# Altium PCB mppt.PcbDoc (part 2 of 2)
Units mil, origin at the board's own origin, x right, y up, seen from the top; angles counter-clockwise.
Board outline 7000 x 4895 mil, 4 copper layers (Top Layer, Layer 1, Layer 2, Bottom Layer), stack 23.756 mil thick; 204 components, 84 nets, 538 pads, 132 vias.
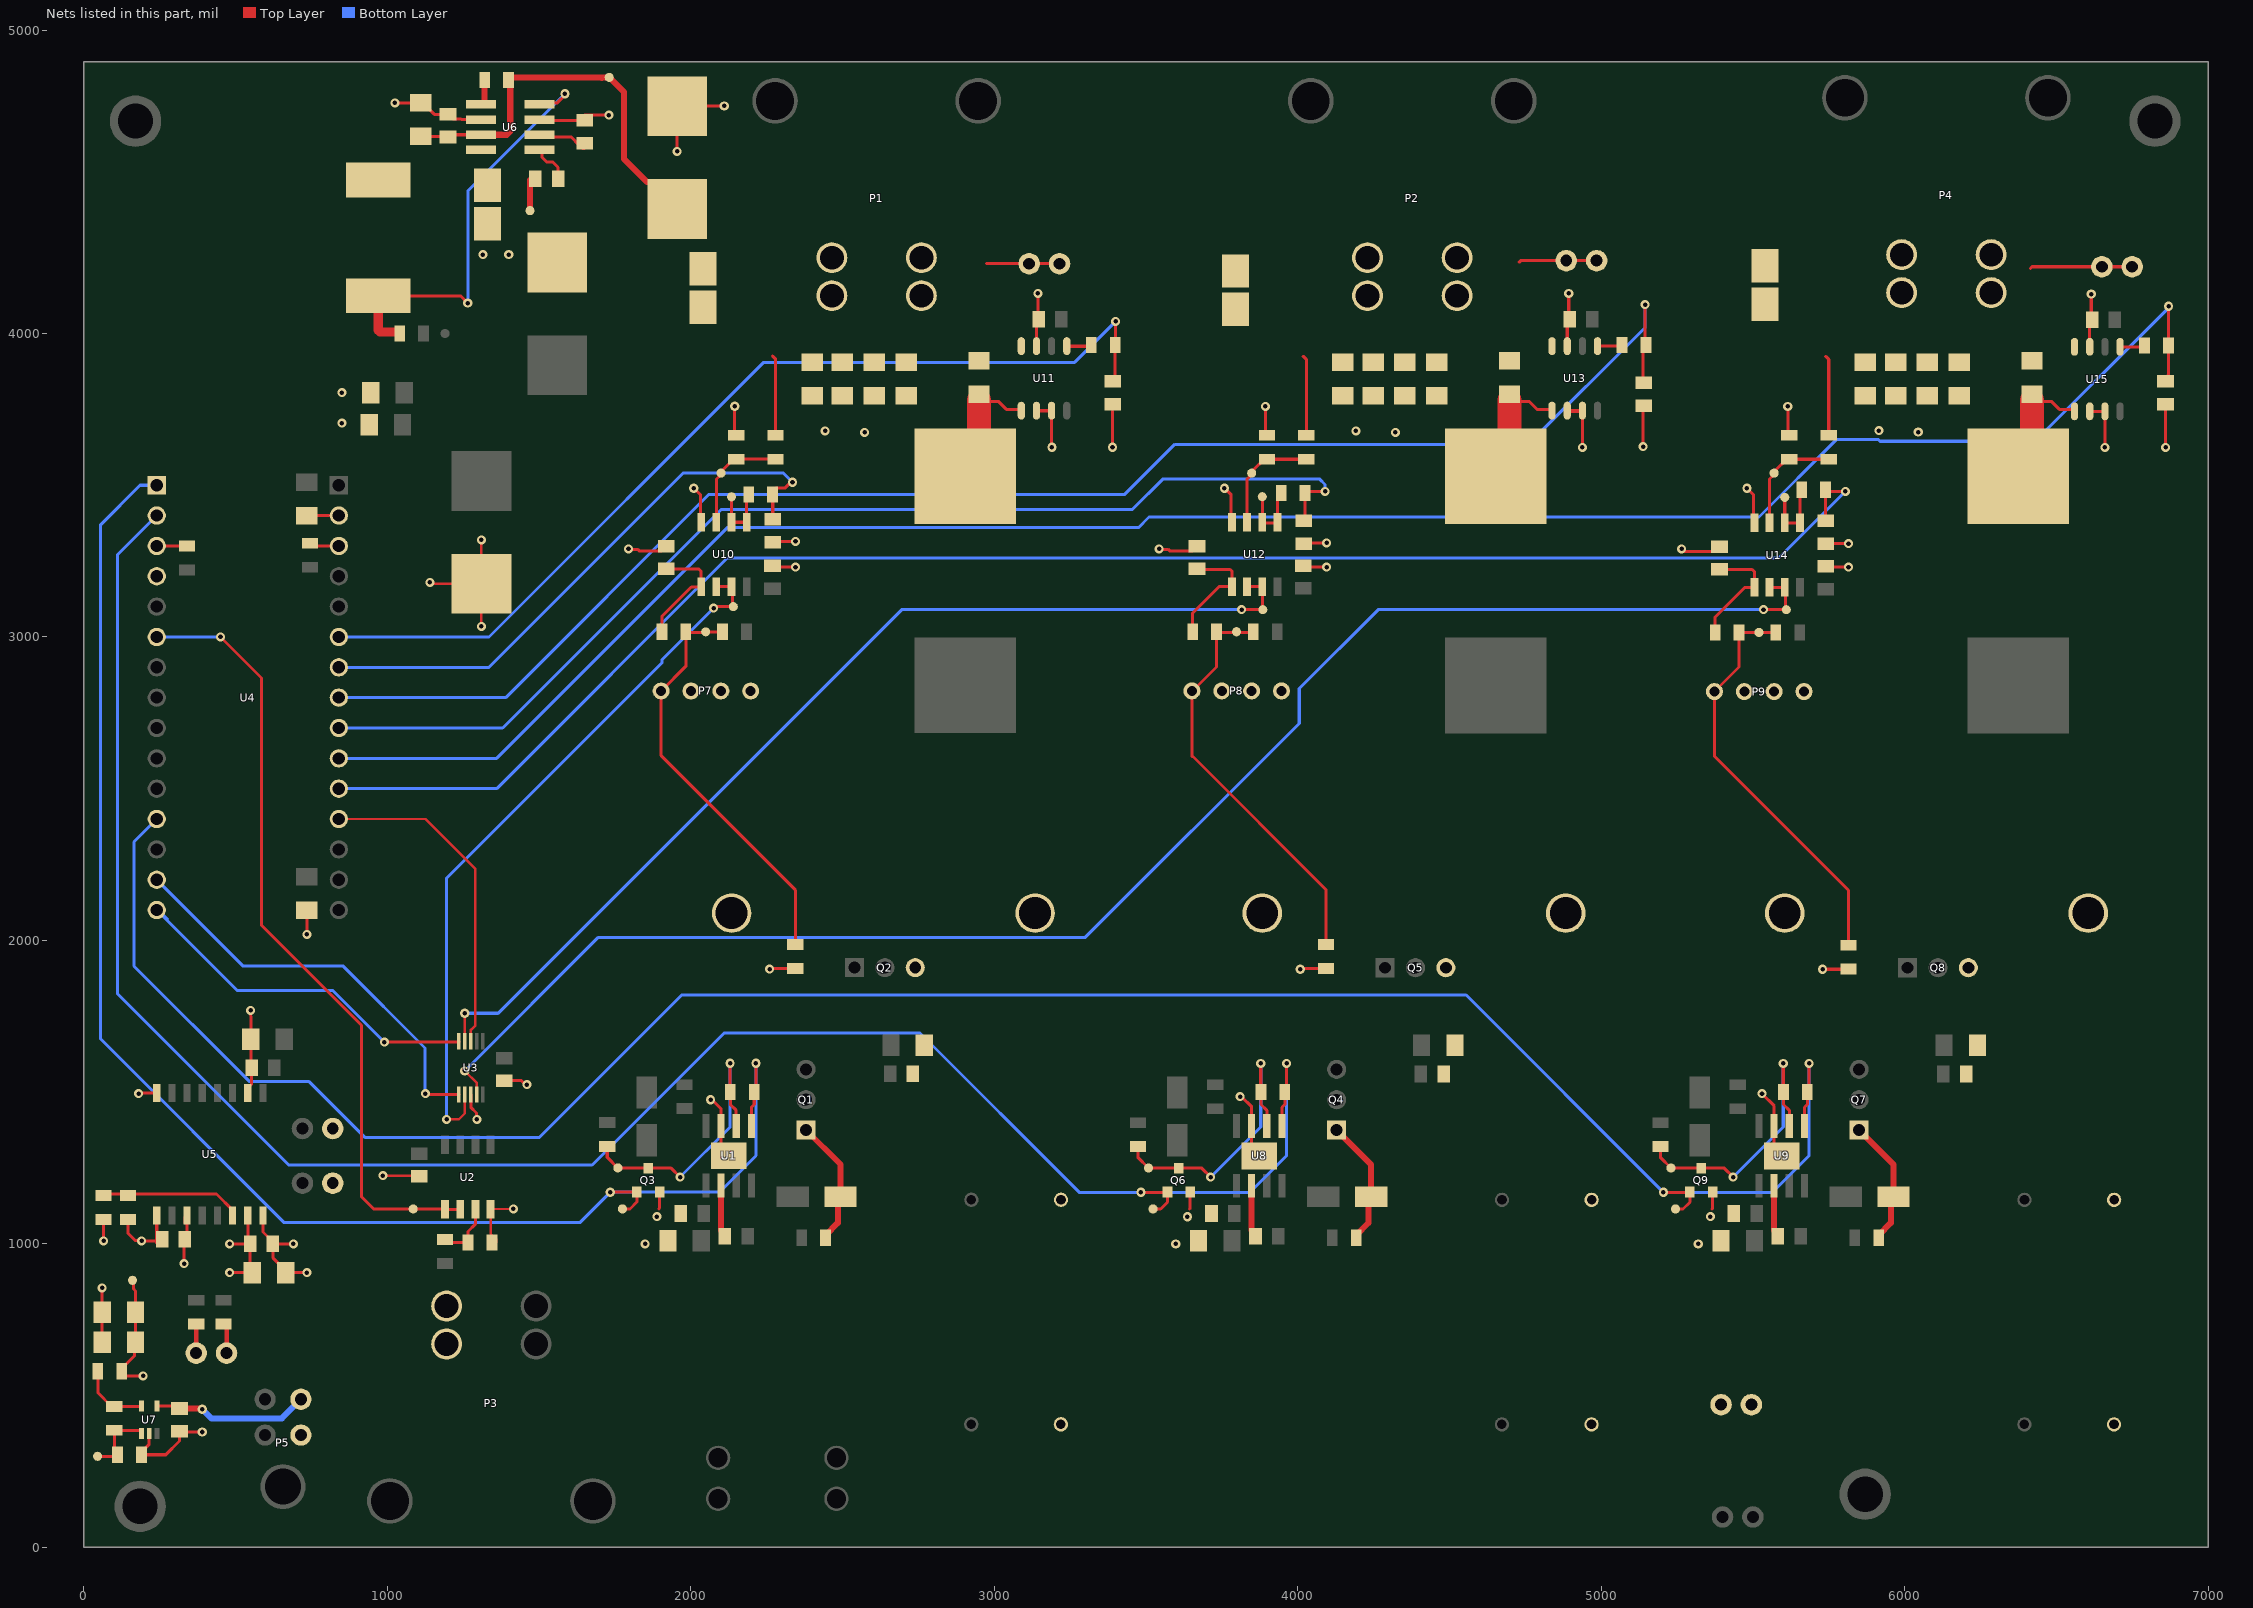
[diagram p4: the nets of this part, all layers, seen from the top]

## Via types
v1: diameter 30, hole 15, Top Layer to Bottom Layer, 132 vias

## Nets (pads, with @x,y where several pads share a name; then routed paths per layer and width w, separated by ;. In a path a pad name is that pad's centre, name@x,y a point inside that pad or via, vN(x,y) a via of type N, cw(c..) or ccw(c..) an arc to the next point about the centre after c; other vN are vias at no path point) (continued)
HV_GND: C1.1 C2.1 C3.2 C4.2 C5.1 C6.1 C7.1 C9.2 C10.1 C11.2 C12.2 C13.2 C14.2 C15.2 C16.2 C17.2 C21.2 C22.2 C23.2 C24.1 C25.2 C26.2 C30.1 C31.1 C32.2 C33.2 C34.1 C35.1 C36.1 C38.2 C39.1 C40.1 C41.1 C42.2 C43.2 C44.1 C45.1 C46.1 C48.2 C49.1 C50.2 C51.2 C52.2 C53.2 C54.2 C55.2 C56.2 C57.2 C58.2 C59.2 C60.2 C61.2 C62.1 C63.1 C64.1 C65.2 C67.2 C68.2 C69.2 D6.2 HS1.0 HS1.1 HS2.0 HS2.1 HS3.0 HS3.1 P1.2 P2.2 P3.1 P4.2 P7.2 P7.3 P7.4 P8.2 P8.3 P8.4 P9.2 P9.3 P9.4 P11.1 P12.1 P14.1 P14.2 Q2.3 Q3.3 Q5.3 Q6.3 Q8.3 Q9.3 R4.2 R10.2 R25.2 R33.2 TH1.1 TH2.1 TH3.1 U1.7 U1.9 U2.4 U3.3 U4.3.4 U4.4.2 U5.2 U5.8 U6.3 U6.6 U8.7 U8.9 U9.7 U9.9 U10.4 U11.2 U11.3 U11.7 U12.4 U13.2 U13.3 U13.7 U14.4 U15.2 U15.3 U15.7 | length 6702.6
  Top Layer w8: v1(985,1225) 1102.6,1225 C11.2@1105,1222.6 ; v1(1140,3180) 1145,3180 1149.29,3175.71 C14.2@1310,3175.71 ; v1(1310,3035) C14.2@1310,3175.71 ; v1(1310,3320) C14.2@1310,3175.71 ; R10.2@1359.37,1005 1359.37,1013.86 1340,1033.23 U2.4@1340,1113.7 1341.3,1115 v1(1415,1115)
  Top Layer w10: v1(180,1495) 181.57,1496.57 U5.8@240,1496.57 ; U5.2@540,1496.57 540,1514.29 552.6,1526.89 C17.2@552.6,1580 549.88,1582.72 C16.2@549.88,1675 550,1675.12 550,1734.31 v1(549.31,1769.31) ; v1(735,2020) C15.2@735,2099.88 ; C13.2@735,3399.88 735.12,3400 U4.4.2@840,3400 ; v1(1025,4760) 1109.88,4760 C21.2@1110,4760.12 1116.89,4760.12 1154.61,4722.4 C65.2@1200,4722.4 1215.67,4706.73 1242.58,4706.73 1244.31,4705 U6.6@1308.54,4705 ; U3.3@1275,1492.4 1275,1450 1293.79,1431.21 1293.79,1411.21 v1(1295,1410) ; C12.2@1385,1537.6 1441.99,1537.6 1454.59,1525 v1(1460,1525) ; U6.3@1501.46,4705 1504.84,4701.62 1631.5,4701.62 1650,4720.12 1650.12,4720 v1(1730,4720) ; v1(1794.61,3290) 1795.87,3288.73 1824.61,3288.73 1829.61,3283.73 1903.33,3283.73 C51.2@1919,3299.4 ; 1894.61,1115.2 1897.01,1117.6 Q3.3@1897.01,1170.83 ; v1(1955,4600) C22.2@1955,4749.29 1955.71,4750 v1(2110,4750) ; v1@2009,3492 2031.5,3469.5 2031.5,3380.8 U10.4@2034,3378.3 ; v1(2009.61,3490.2) 2032.11,3467.7 2032.11,3379 U10.4@2034.61,3376.5 ; v1(2065,1475) 2070,1475 2099.61,1445.39 U1.7@2099.61,1388.62 2099.61,1315.2 U1.9@2124.61,1290.2 ; v1(2144.61,3760.2) 2144.61,3669.57 R4.2@2149.61,3664.57 ; v1@2259,1907 2343.37,1907 TH1.1@2344,1907.63 ; C50.2@2270,3235.4 C50.2@2269,3234.4 2273.4,3230 v1(2345,3230) ; C53.2@2270,3312.6 2272.4,3315 v1(2345,3315) ; TH1.1@2343.98,1905.2 TH1.1@2344.61,1905.83 ; U11.2@3139,3745.7 U11.3@3189,3745.7 v1@3189,3627 ; U11.7@3139,3958.3 3139,4039.4 C52.2@3146.6,4047 3144,4049.6 v1(3144,4132) ; U11.2@3139.61,3743.9 U11.3@3189.61,3743.9 ; U11.7@3139.61,3956.5 C52.2@3139.61,4037.6 ; v1(3389.61,3625.2) 3389.61,3745.08 ; v1(3543.19,3290) 3544.25,3288.94 3573.19,3288.94 3578.19,3283.94 3652.49,3283.94 C55.2@3668.16,3299.61 ; 3643.19,1115 3645.59,1117.4 Q6.3@3645.59,1170.63 ; v1@3758.16,3492.2 3780.66,3469.7 3780.66,3381 U12.4@3783.16,3378.5 ; v1(3758.19,3490) 3780.69,3467.5 ; U12.4@3780.69,3378.8 U12.4@3783.19,3376.3 ; v1(3810,1485) 3815,1485 3848.19,1451.81 U8.7@3848.19,1388.43 3848.19,1315 U8.9@3873.19,1290 ; v1(3893.19,3760) 3893.19,3669.37 R25.2@3898.19,3664.37 ; v1@4008.16,1907.2 4092.53,1907.2 TH2.1@4093.16,1907.83 ; C54.2@4018.16,3234.61 4022.77,3230 v1(4095,3230) ; C61.2@4020,3307.6 4022.4,3310 v1(4095,3310) ; TH2.1@4092.56,1905 TH2.1@4093.19,1905.63 ; U13.2@4888.16,3745.91 U13.3@4938.16,3745.91 v1@4938.16,3627.2 ; U13.7@4888.16,3958.5 4888.16,4039.61 C56.2@4895.76,4047.2 4893.16,4049.8 v1(4893.16,4132.2) ; U13.2@4888.19,3743.7 U13.3@4938.19,3743.7 ; v1(5138.16,3627.2) C67.2@5138.16,3747.09 ; v1(5265,3290) 5265,3288.2 5271.47,3281.73 5374.33,3281.73 C59.2@5390,3297.4 ; 5365,1115 5367.4,1117.4 Q9.3@5367.4,1170.63 ; v1(5480,3490) 5502.5,3467.5 5502.5,3378.8 U14.4@5505,3376.3 ; v1(5530,1495) 5570,1455 U9.7@5570,1388.43 5570,1315 U9.9@5595,1290 ; v1(5615,3760) 5615,3669.37 R33.2@5620,3664.37 ; v1(5730,1905) 5814.37,1905 TH3.1@5815,1905.63 ; C58.2@5740,3232.4 5742.4,3230 v1(5815,3230) ; C68.2@5740,3307.6 v1(5815,3307.6) ; U15.2@6610,3743.7 U15.3@6660,3743.7 v1(6660,3625) ; U15.7@6610,3956.3 6610,4037.4 C60.2@6617.6,4045 6615,4047.6 v1(6615,4130) ; v1(6860,3625) C69.2@6860,3767.6
  other v1: 1849.61,1000.2 3598.19,1000 5320,1000 3636.57,1089.33 1887.99,1089.53 5360,1090 2259.61,1905.2 4008.19,1905 3189.61,3625.2 4938.19,3625 2572.41,3674.13 4321.57,3674.33 6045,3675 2442.41,3679.13 4191.57,3679.33 5915,3680 850,3705 850,3805 1315,4260 1400,4260
I_SC_IN_NEG_STRING1: L1.1 R1.2 U11.1 | length 432.3
  Top Layer w10: L1.1@2904.61,3529.84 L1.1@2949.61,3574.84 ; R1.2@2949.61,3800.08 2973.15,3776.54 3013.27,3776.54 3039.61,3750.2 3083.31,3750.2 U11.1@3089.61,3743.9
  Top Layer w80: L1.1@2949.61,3574.84 R1.2@2949.61,3780.2
I_SC_IN_NEG_STRING2: L3.1 R22.2 U13.1 | length 432.3
  Top Layer w10: L3.1@4653.19,3529.65 L3.1@4698.19,3574.65 ; R22.2@4698.19,3799.88 4721.73,3776.34 4761.85,3776.34 4788.19,3750 4831.9,3750 U13.1@4838.19,3743.71
  Top Layer w80: L3.1@4698.19,3574.65 R22.2@4698.19,3780
I_SC_IN_NEG_STRING3: L4.1 R30.2 U15.1 | length 432.3
  Top Layer w10: L4.1@6375,3529.65 L4.1@6420,3574.65 ; R30.2@6420,3799.88 6443.54,3776.34 6483.66,3776.34 6510,3750 6553.71,3750 U15.1@6560,3743.7
  Top Layer w80: L4.1@6420,3574.65 R30.2@6420,3780
LV_5P0V: C18.1 C19.1 C28.2 C29.1 C66.1 R13.2 R19.1 TP8.1 U5.11 U5.16 | length 1022.9
  Top Layer w10: v1(65,1010) R13.2@65,1080.63 ; R19.1@124.37,577.72 137.09,565 v1(195,565) ; R19.1@124.37,580 124.37,588.86 137.09,601.57 165.94,630.42 165.94,670.82 C29.1@170.12,675 C28.2@170.12,775 170.12,844.88 163.83,851.17 163.83,876.17 TP8.1@160,880 ; v1(330,935) 330,1012.6 340,1022.6 U5.11@340,1075.71 ; U5.11@332.4,1088.11 332.4,1068.11 U5.11@340,1075.71 ; U5.11@340,1093.43 U5.11@340,1075.71 ; U5.16@590,1093.43 590,1039.29 C18.1@622.4,1006.89 ; v1(690,1000) 629.29,1000 C18.1@622.4,1006.89 ; v1(735,905) C19.1@665.12,905 665.12,911.89 622.4,954.61 C18.1@622.4,1000 C18.1@622.4,1006.89
LV_12P0V: C27.1 P5.3 U7.4 | length 517.2
  Top Layer w10: U7.4@240.59,465.28 307.13,465.28 C27.1@315,457.4 ; v1@382.6,457.4 385,455 v1(390,455)
  Top Layer w20: C27.1@315,457.4 v1@382.6,457.4
  Bottom Layer w20: v1(390,455) 420,425 652,425 P5.3@715,488
LV_GND: C18.2 C19.2 C27.2 C28.1 C29.2 C66.2 P5.1 R16.1 R21.1 U5.9 U5.15 U7.2 | length 1100.3
  Top Layer w10: C29.2@59.88,675 C28.1@59.88,775 60,775.12 v1(60,855) ; R16.1@145,1080.63 145,1035 168.79,1011.21 188.79,1011.21 v1(190,1010) C66.2@240,1010 ; U7.2@215,374.72 215,339.49 189.37,313.86 R21.1@189.37,305 270,305 315,350 C27.2@315,382.6 ; C66.2@240,1002.6 C66.2@240,1010 ; U5.9@240,1093.43 C66.2@240,1010 ; C66.2@257.6,1015 252.6,1010 C66.2@240,1010 ; C27.2@315,380 v1(390,380) ; v1(480,905) 547.2,905 547.6,905.39 C18.2@547.6,1000 ; v1(480,1000) C18.2@547.6,1000 ; U5.15@540,1093.43 540,1007.6 C18.2@547.6,1000
MUXED_THERM_TELEM: U3.8 U4.4.12 | length 1092.1
  Top Layer w8: U4.4.12@840,2400 1125.31,2400 1290,2235.31 1290,1720 1275,1705 U3.8@1275,1667.6
NetC8_1: C8.1 U1.2 | length 171.8
  Top Layer w20: U1.2@2099.61,1191.77 2099.61,1044.69 2112.2,1032.09 C8.1@2112.2,1025.2
NetC20_1: C20.1 U6.1 | length 132
  Top Layer w10: U6.1@1501.46,4605 1501.46,4604.76 1510,4596.22 1510,4580 1525,4565 1545,4565 1562.4,4547.6 C20.1@1562.4,4510
NetC20_2: C20.2 D6.1 L2.1 TP6.1 U6.8 | length 100
  Top Layer w20: C20.2@1469.88,4505 1469.94,4504.94 1469.94,4405.06 TP6.1@1470,4405
NetC21_1: C21.1 C22.1 C65.1 D3.1 D4.1 D5.1 R18.1 TP5.1 U6.7 | length 1313.5
  Top Layer w10: C21.1@1110,4649.88 1197.72,4649.88 C65.1@1200,4647.6 1207.4,4655 U6.7@1308.54,4655
  Top Layer w20: U6.7@1335,4655 1393.28,4655 1405,4666.72 1405,4841.91 1407.09,4844 1703.29,4844 1705.38,4841.91 1707.91,4841.91 1710,4844 TP5.1@1731,4844 1780,4795 1780,4575 1855.87,4499.13 1866.57,4499.13 C22.1@1955,4410.71
NetC26_1: C26.1 U6.2 | length 167.7
  Top Layer w10: U6.2@1501.46,4655 1508.68,4647.78 1605.93,4647.78 1619.57,4634.14 1619.57,4633.43 1643.11,4609.88 C26.1@1650,4609.88
NetC37_1: C37.1 U8.2 | length 171.8
  Top Layer w20: U8.2@3848.19,1191.57 3848.19,1044.49 3860.79,1031.89 C37.1@3860.79,1025
NetC47_1: C47.1 U9.2 | length 171.8
  Top Layer w20: U9.2@5570,1191.57 5570,1044.49 5582.6,1031.89 C47.1@5582.6,1025
NetC51_1: C51.1 R39.2 U10.5 | length 382.1
  Top Layer w10: R39.2@1904.63,3017 1904.63,3067.63 2001.5,3164.5 U10.5@2034,3164.5 ; C51.1@1925.89,3224.6 2025.4,3224.6 2034,3216 U10.5@2034,3165.7
NetC55_1: C55.1 R42.2 U12.5 | length 396.2
  Top Layer w10: R42.2@3653.79,3017.2 3653.79,3078.79 3675,3100 3740.91,3165.91 U12.5@3783.16,3165.91 3783.16,3216.74 3777.3,3222.6 3670.36,3222.6 C55.1@3668.16,3224.8
NetC59_1: C59.1 R45.2 U14.5 | length 390.1
  Top Layer w10: R45.2@5375.63,3015 5375.63,3065.63 5410,3100 5473.7,3163.7 U14.5@5505,3163.7 5505,3215 5497.4,3222.6 C59.1@5390,3222.6
NetL2_2: L2.2 R17.2 U6.4 | length 1416.6
  Top Layer w10: L2.2@970,4124.06 1240.94,4124.06 v1(1265,4100) ; U6.4@1501.46,4755 1506.61,4760.15 1559.81,4760.15 1585,4785.34 v1(1585,4790)
  Top Layer w30: L2.2@970,4124.06 970,4010.86 975.86,4005 1035.63,4005 R17.2@1040.63,4000
  Bottom Layer w10: v1(1265,4100) 1265,4470 v1(1585,4790)
NetP6_1: P6.1 R14.2 | length 99.8
  Top Layer w15: R14.2@460,735.63 470,725.63 P6.1@470,640
NetP6_2: P6.2 R15.2 | length 95.6
  Top Layer w15: P6.2@370,640 R15.2@370,735.63
NetP7_1: P7.1 R38.1 R39.1 TH1.2 TP18.1 | length 1368.5
  Top Layer w10: R39.1@1983.37,3017 1983.37,2903.21 P7.1@1902.16,2822 1902.16,2608.84 2344,2167 ; R39.1@1983.98,3015.2 TP18.1@2049.61,3015.2 ; TP18.1@2049,3017 R38.1@2104.63,3017 ; TH1.2@2344.61,1984.57 2344.61,2165.2
NetP8_1: P8.1 R41.1 R42.1 TH2.2 TP21.1 | length 1368.5
  Top Layer w10: 3651.32,2609.04 4093.16,2167.2 TH2.2@4093.16,1986.57 ; 3651.35,2606.84 3651.35,2820 3732.56,2901.21 ; 3732.53,2903.41 R42.1@3732.53,3017.2 ; R42.1@3732.56,3015 3798.19,3015 R41.1@3853.82,3015
NetP9_1: P9.1 R44.1 R45.1 TH3.2 TP24.1 | length 1368.5
  Top Layer w10: R44.1@5575.63,3015 TP24.1@5520,3015 R45.1@5454.37,3015 5454.37,2901.21 P9.1@5373.16,2820 5373.16,2606.84 5815,2165 TH3.2@5815,1984.37
NetR2_1: R2.1 TP16.1 U10.1 U10.2 | length 353.1
  Top Layer w10: TP16.1@2134,3462 U10.2@2134,3378.3 U10.1@2184,3378.3 R2.1@2184,3464 ; TP16.1@2134.61,3460.2 2134.61,3376.5 U10.1@2184.61,3376.5
NetR11_1: R11.1 U4.4.3 | length 98.6
  Top Layer w10: R11.1@745,3308.74 753.74,3300 U4.4.3@840,3300
NetR12_1: R12.1 U4.3.3 | length 100.3
  Top Layer w10: U4.3.3@240,3300 339.37,3300 R12.1@340,3299.37
NetR13_1: R13.1 R16.2 U5.14 | length 469.8
  Top Layer w10: R13.1@60,1164.37 145,1164.37 436.77,1164.37 490,1111.14 U5.14@490,1093.43
NetR18_2: R18.2 U6.5 | length 89.9
  Top Layer w20: U6.5@1308.54,4755 1316.85,4755 1320.63,4758.78 R18.2@1320.63,4835
NetR19_2: R19.2 R20.2 U7.5 | length 218.1
  Top Layer w10: R19.2@45.63,565 45.63,509.88 91.14,464.37 R20.2@100,464.37 188.5,464.37 U7.5@189.41,465.28
NetR20_1: R20.1 R21.2 TP9.1 U7.1 | length 251.4
  Top Layer w10: TP9.1@45,300 105.63,300 R21.2@110.63,305 100,315.63 R20.1@100,385.63 186.54,385.63 189.41,382.76 U7.1@189.41,374.72
NetR23_1: R23.1 TP19.1 U12.1 U12.2 | length 235.4
  Top Layer w10: U12.2@3883.16,3378.5 TP19.1@3883.16,3462.2 ; U12.2@3883.19,3376.3 U12.1@3933.19,3376.3 ; U12.1@3933.16,3378.5 3933.16,3462.53 R23.1@3945.63,3475
NetR31_1: R31.1 TP22.1 U14.1 U14.2 | length 244.7
  Top Layer w10: TP22.1@5605,3460 U14.2@5605,3376.3 U14.1@5655,3376.3 5655,3479.37 R31.1@5660.63,3485
NetR40_1: R40.1 U11.5 | length 164.3
  Top Layer w10: U11.5@3239,3958.3 3315.93,3958.3 R40.1@3319.63,3962 ; U11.5@3239.61,3956.5 3316.54,3956.5 R40.1@3320.24,3960.2
NetR43_1: R43.1 U13.5 | length 92.6
  Top Layer w10: U13.5@4988.16,3958.5 5065.09,3958.5 R43.1@5068.79,3962.2 ; R43.1@5065.12,3956.3 5068.82,3960 R43.1@5065.12,3956.3
NetR46_1: R46.1 U15.5 | length 82.2
  Top Layer w10: U15.5@6710,3956.3 6786.93,3956.3 R46.1@6790.63,3960
PWM_IN_STRING1: Q3.1 R6.2 TP2.1 U1.5 U4.3.1 | length 5140.7
  Top Layer w10: v1@1724.61,1170.2 v1(1734.61,1170.2) 1821.57,1170.2 Q3.1@1822.2,1170.83 1822.2,1137.8 1799.61,1115.2 TP2.1@1774.61,1115.2 ; U1.5@2199.61,1388.62 2199.61,1450.2 2208.98,1459.57 R6.2@2208.98,1500.2 2214.61,1505.83 v1(2214.61,1595.2)
  Bottom Layer w10: U4.3.1@240,3500 185,3500 55,3370 55,1675 660,1070 1634.41,1070 v1(1734.61,1170.2) 2094.28,1170.2 2214.61,1290.53 v1(2214.61,1595.2)
PWM_IN_STRING2: Q6.1 R27.2 TP11.1 U4.3.2 U8.5 | length 6868.9
  Top Layer w10: v1@3473.19,1170 v1(3483.19,1170) 3570.16,1170 Q6.1@3570.79,1170.63 3570.79,1137.6 3548.19,1115 TP11.1@3523.19,1115 ; U8.5@3948.19,1388.43 3948.19,1450 3957.56,1459.37 R27.2@3957.56,1500 3963.19,1505.63 v1(3963.19,1595)
  Bottom Layer w10: U4.3.2@240,3400 110,3270 110,1825 675,1260 1675,1260 2110,1695 2755,1695 3280,1170 v1(3483.19,1170) 3842.86,1170 3963.19,1290.33 v1(3963.19,1595)
PWM_IN_STRING3: Q9.1 R35.2 TP14.1 U4.3.12 U9.5 | length 7488.7
  Top Layer w10: v1@5195,1170 v1(5205,1170) 5291.97,1170 Q9.1@5292.6,1170.63 5292.6,1137.6 5270,1115 TP14.1@5245,1115 ; U9.5@5670,1388.43 5670,1450 5679.37,1459.37 R35.2@5679.37,1500 5685,1505.63 v1(5685,1595)
  Bottom Layer w10: U4.3.12@240,2400 165,2325 165,2115.34 165,1915 544.4,1535.6 740.6,1535.6 923.3,1352.89 ccw(c930.34,1360) 930.29,1350 1500,1350 1970,1820 4555,1820 v1(5205,1170) 5564.67,1170 5685,1290.33 v1(5685,1595)
PWM_N_IN_STRING1: Q3.2 R6.1 R8.1 TP3.1 U1.6 | length 960.8
  Top Layer w10: R8.1@1724.61,1320.83 1724.61,1285.2 TP3.1@1759.61,1250.2 1858.98,1250.2 Q3.2@1859.61,1249.57 1935.24,1249.57 v1(1964.61,1220.2) ; v1(2129.61,1595.2) 2129.61,1500.83 R6.1@2130.24,1500.2 2130.24,1459.57 2149.61,1440.2 U1.6@2149.61,1388.62
  Bottom Layer w10: v1(1964.61,1220.2) 2129.61,1385.2 v1(2129.61,1595.2)
PWM_N_IN_STRING2: Q6.2 R27.1 R29.1 TP12.1 U8.6 | length 960.8
  Top Layer w10: R29.1@3473.19,1320.63 3473.19,1285 TP12.1@3508.19,1250 3607.56,1250 Q6.2@3608.19,1249.37 3683.82,1249.37 v1(3713.19,1220) ; v1(3878.19,1595) 3878.19,1500.63 R27.1@3878.82,1500 3878.82,1459.37 3898.19,1440 U8.6@3898.19,1388.43
  Bottom Layer w10: v1(3713.19,1220) 3878.19,1385 v1(3878.19,1595)
PWM_N_IN_STRING3: Q9.2 R35.1 R37.1 TP15.1 U9.6 | length 960.8
  Top Layer w10: R37.1@5195,1320.63 5195,1285 TP15.1@5230,1250 5329.37,1250 Q9.2@5330,1249.37 5405.63,1249.37 v1(5435,1220) ; v1(5600,1595) 5600,1500.63 R35.1@5600.63,1500 5600.63,1459.37 5620,1440 U9.6@5620,1388.43
  Bottom Layer w10: v1(5435,1220) 5600,1385 v1(5600,1595)
STRING1_I_IN: C57.1 R40.2 U4.4.6 | length 3194.7
  Top Layer w10: C57.1@3390,3842.4 3398.37,3850.77 R40.2@3398.37,3962 ; R40.2@3398.4,3959.8 3400,3961.4 v1(3400,4040)
  Bottom Layer w10: U4.4.6@840,3000 1335,3000 2240,3905 3265,3905 v1(3400,4040)
STRING1_THERM: TP17.1 U3.2 U10.6 U10.7 | length 2365.6
  Top Layer w8: v1(1195,1410) 1235,1410 1255.31,1430.31 U3.2@1255.31,1492.4
  Top Layer w10: v1(2075,3095) 2080,3100 TP17.1@2140,3100 2137,3103 2137,3162.7 U10.7@2134,3165.7 U10.6@2084,3165.7
  Bottom Layer w10: v1(1195,1410) 1195,2205 1905,2915 1905,2925 v1(2075,3095)
STRING1_V_IN: C53.1 R2.2 U4.4.7 | length 1942.8
  Top Layer w10: C53.1@2270,3387.4 2270,3469.37 R2.2@2269.37,3470 2269.37,3478.86 2282.09,3491.57 2311.16,3491.57 2329.59,3510 v1(2335,3510)
  Bottom Layer w10: U4.4.7@840,2900 1335,2900 1975,3540 2305,3540 v1(2335,3510)
STRING2_I_IN: C67.1 R43.2 U4.4.8 | length 5130.1
  Top Layer w10: C67.1@5138.19,3855.12 5138.19,3952.86 R43.2@5147.53,3962.2 5145,3964.73 v1(5145,4095)
  Bottom Layer w10: U4.4.8@840,2800 1390,2800 2060,3470 3430,3470 3595,3635 4760,3635 5145,4020 v1(5145,4095)
STRING2_THERM: TP20.1 U3.9 U12.6 U12.7 | length 3400.1
  Top Layer w8: v1(1255,1760) 1255,1700 1255.31,1699.69 U3.9@1255.31,1667.6
  Top Layer w10: v1(3815,3090) TP20.1@3885,3090 3884.08,3090.92 3884.08,3164.99 U12.7@3883.16,3165.91 U12.6@3833.16,3165.91
  Bottom Layer w10: v1(1255,1760) 1365,1760 2695,3090 v1(3815,3090)
STRING2_V_IN: C61.1 R23.2 U4.4.9 | length 3781.7
  Top Layer w10: C61.1@4020,3382.4 4024.37,3386.77 R23.2@4024.37,3475 4029.37,3480 v1(4090,3480)
  Bottom Layer w10: U4.4.9@840,2700 1380,2700 2100,3420 3455,3420 3555,3520 4072.77,3520 4090,3502.77 v1(4090,3480)
STRING3_I_IN: C69.1 R46.2 U4.4.10 | length 6893
  Top Layer w10: C69.1@6860,3855.12 6869.37,3864.49 R46.2@6869.37,3960 v1@6869.37,4090
  Bottom Layer w10: U4.4.10@840,2600 1360,2600 2120,3360 3475,3360 3510,3395 5520,3395 5775,3650 5913.71,3650 5918.71,3645 6430,3645 6870,4085 v1(6870,4090)
STRING3_THERM: TP23.1 U3.4 U14.6 U14.7 | length 5271.9
  Top Layer w8: v1(1255,1570) 1294.84,1530.16 1294.84,1492.56 U3.4@1294.68,1492.4
  Top Layer w10: v1(5535,3090) TP23.1@5610,3090 5607.5,3092.5 5607.5,3161.2 U14.7@5605,3163.7 U14.6@5555,3163.7
  Bottom Layer w10: v1(1255,1570) 1695.2,2010.2 3300.2,2010.2 4005,2715 4005,2830 4265,3090 v1(5535,3090)
STRING3_V_IN: C68.1 R31.2 U4.4.11 | length 5548.2
  Top Layer w10: R31.2@5739.37,3485 R31.2@5740,3484.37 ; C68.1@5740,3374.8 5740,3480 R31.2@5740,3484.37 ; v1(5805,3480) 5744.37,3480 R31.2@5740,3484.37
  Bottom Layer w10: U4.4.11@840,2500 1360,2500 2120,3260 5585,3260 v1(5805,3480)
STRING_POS_STRING1: C1.2 C2.2 C3.1 C4.1 D3.2 P1.1 P10.1 P10.2 R1.1 R3.1 U11.8 | length 504.8
  Top Layer w10: 2269.61,3925.2 2279.61,3915.2 R3.1@2279.61,3664.57 ; 2975,4230 P10.2@3115,4230 P10.1@3215,4230
STRING_POS_STRING2: C30.2 C31.2 C32.1 C33.1 D4.2 P2.1 P15.1 P15.2 R22.1 R24.1 U13.8 | length 521.8
  Top Layer w10: 4018.19,3925 4028.19,3915 R24.1@4028.19,3664.37 ; 4730,4235 4735,4240 P15.2@4885,4240 P15.1@4985,4240
STRING_POS_STRING3: C40.2 C41.2 C42.1 C43.1 D5.2 P4.1 P16.1 P16.2 R30.1 R32.1 U15.8 | length 601.8
  Top Layer w10: 5740,3925 5750,3915 R32.1@5750,3664.37 ; 6415,4215 6420,4220 P16.1@6650,4220 P16.2@6750,4220
SYNC_DRV_STRING1: D1.2 Q1.1 R5.2 | length 422.6
  Top Layer w20: Q1.1@2379.61,1375.2 2493.35,1261.46 D1.2@2493.35,1155.2 2484.61,1146.46 2484.61,1069.68 2443.98,1029.06 R5.2@2443.98,1020.2
SYNC_DRV_STRING2: D7.2 Q4.1 R26.2 | length 422.6
  Top Layer w20: Q4.1@4128.19,1375 4241.93,1261.26 D7.2@4241.93,1155 4233.19,1146.26 4233.19,1069.49 4192.56,1028.86 R26.2@4192.56,1020
SYNC_DRV_STRING3: D9.2 Q7.1 R34.2 | length 422.6
  Top Layer w20: Q7.1@5850,1375 5963.74,1261.26 D9.2@5963.74,1155 5955,1146.26 5955,1069.49 5914.37,1028.86 R34.2@5914.37,1020
THERM_MUX_SEL0: U3.1 U4.3.14 | length 1376.3
  Top Layer w10: v1(1125,1495) 1127.6,1492.4 U3.1@1235.63,1492.4
  Bottom Layer w10: U4.3.14@240,2200 525,1915 855,1915 1124.32,1645.68 v1@1124.32,1495
THERM_MUX_SEL1: U3.10 U4.3.15 | length 1224.8
  Top Layer w10: v1(990,1665) 1234.72,1665 1235.63,1665.91 U3.10@1235.63,1667.6
  Bottom Layer w10: 274.66,2070.34 245,2100 U4.3.15@240,2100 505,1835 820,1835 v1(990,1665)
VIN_DIV_STRING1: R3.2 R4.1 TP1.1 U10.3 | length 368.1
  Top Layer w10: U10.3@2084.61,3376.5 2084.61,3520.83 TP1.1@2096.79,3533.01 ; TP1.1@2099.61,3535.2 2103.43,3539.02 2103.43,3548.51 2140.75,3585.83 R3.2@2279.61,3585.83